# Allegro board trx_layout.brd (continued)
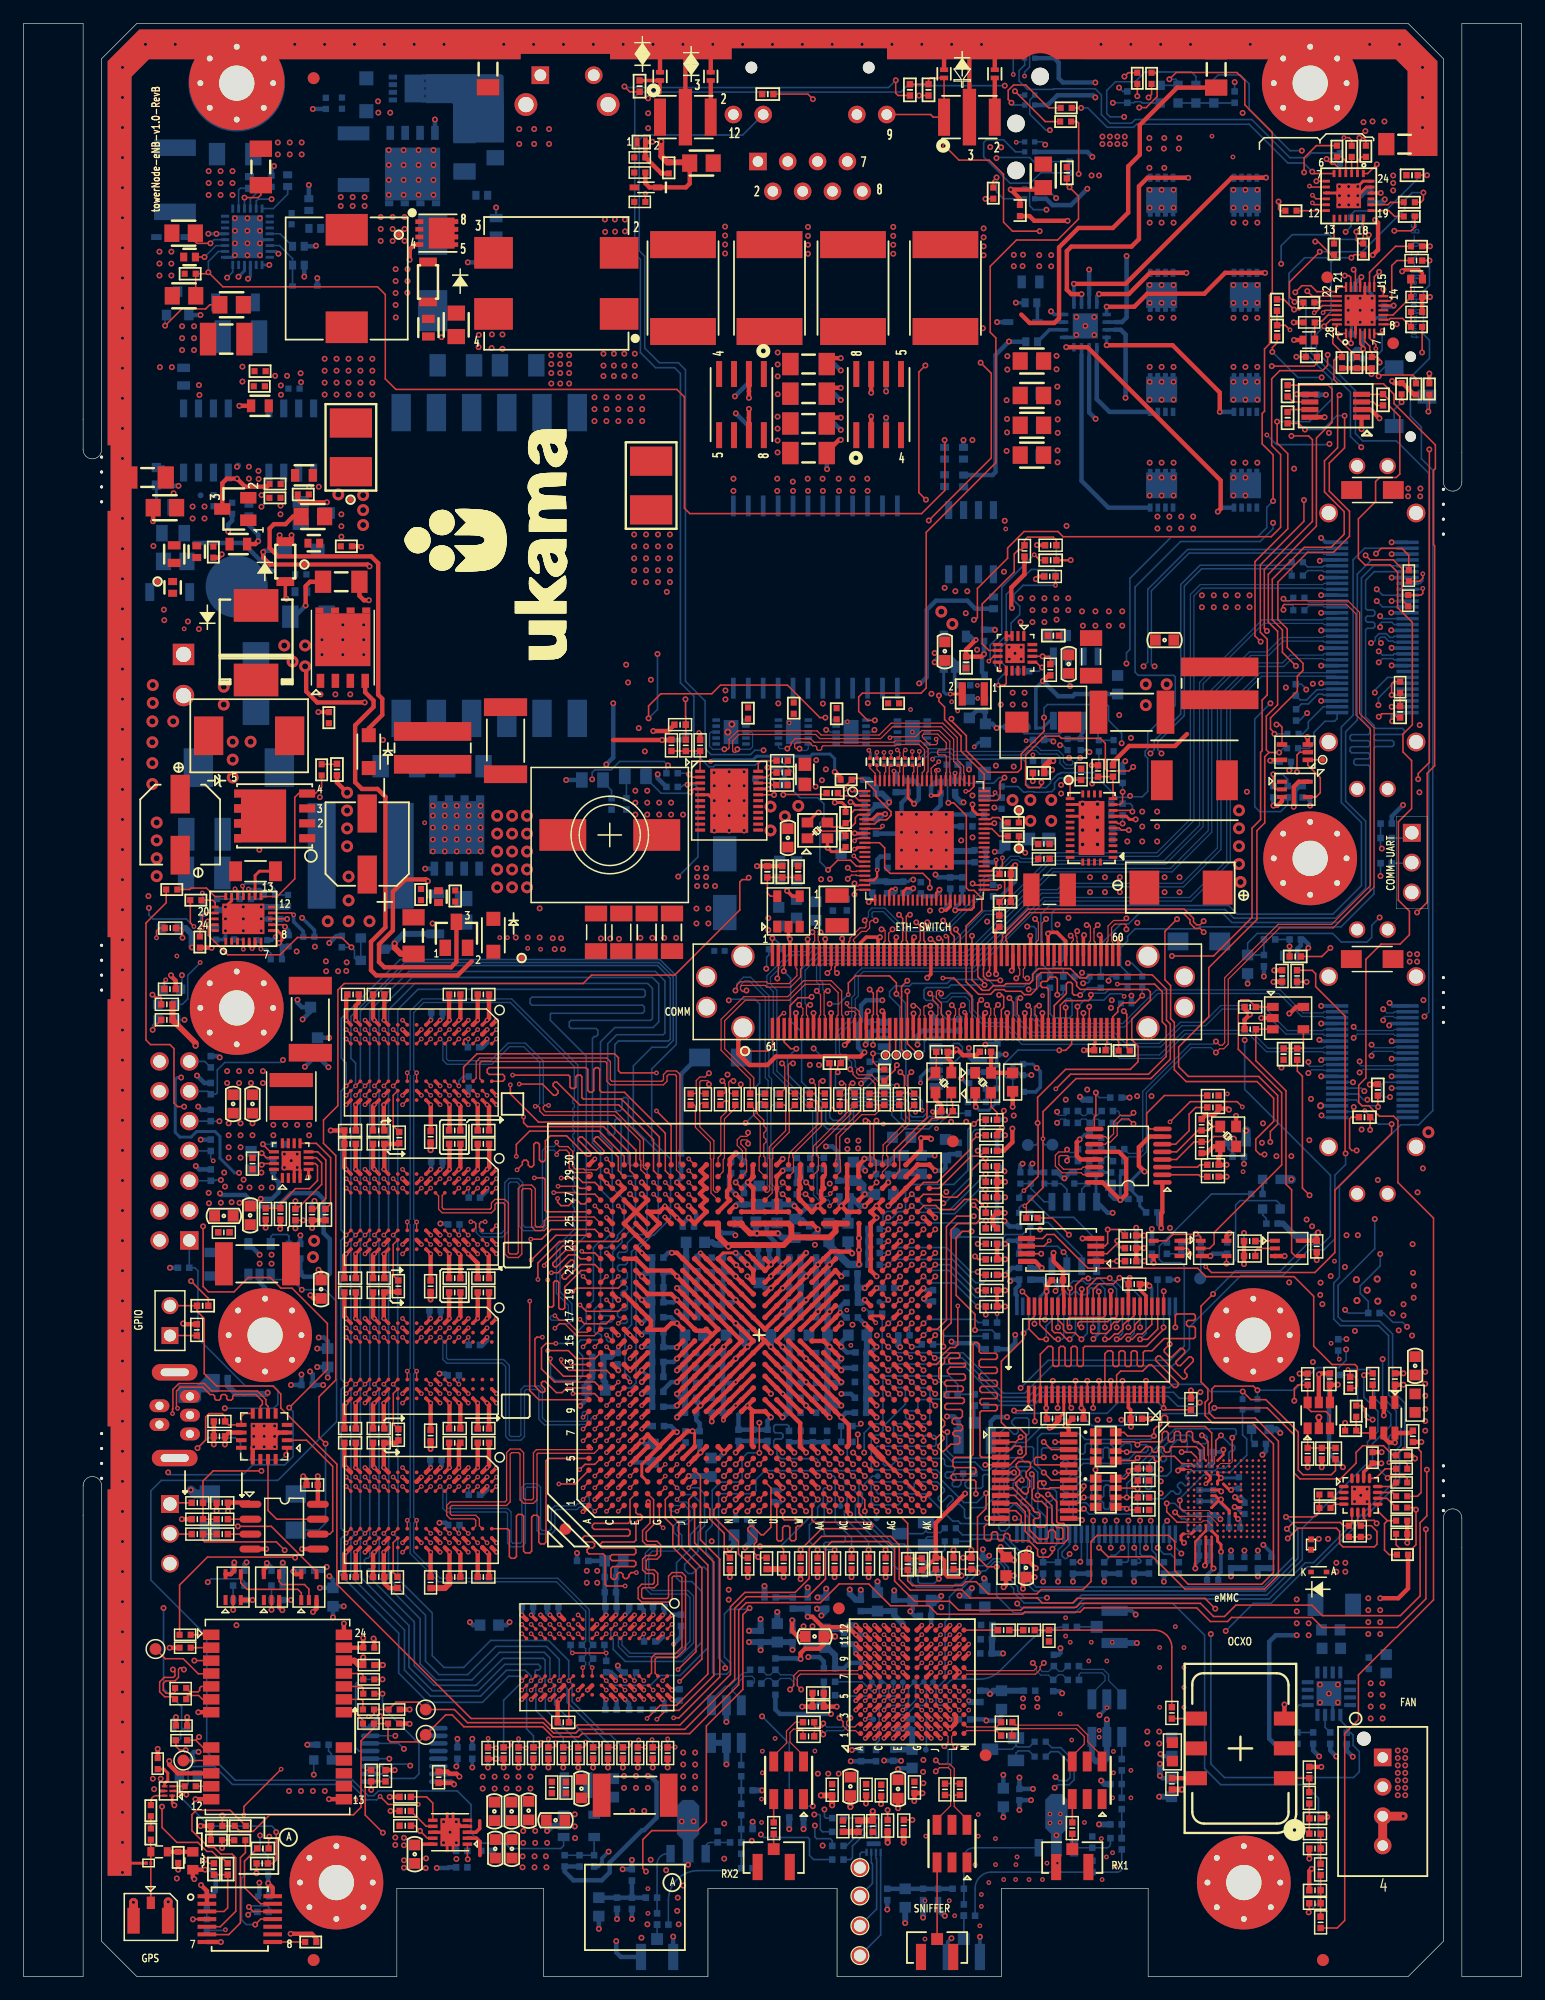
[diagram p0: board, top side]
## Copper pours and planes (outline as drawn; the poured copper is in the pictures) (continued)
CHASIS_GND on TOP (solid shape): 120.45,163.08 120.45,155.01 117.91,155.01 117.91,162.23 116.89,163.24 113.18,163.24 109.61,157.1 106.03,163.24 87.94,163.24 86.6,163.76 85.27,163.24 73.56,163.24 73.56,164.18 60.33,164.18 60.33,163.24 49.97,163.24 49.97,163.71 42.36,163.71 42.36,163.24 21.75,163.24 18.17,157.24 14.58,163.24 10.69,163.24 9.2,161.76 9.2,8.58 7.16,8.58 7.16,41.48 7.42,41.48 7.42,46.84 7.16,46.84 7.16,83.21 7.42,83.21 7.42,88.49 7.16,88.49 7.16,124.79 7.42,124.79 7.42,130.38 7.16,130.38 7.16,163.08 9.87,165.78 117.74,165.78
CHASIS_GND on BOTTOM (solid shape): 120.45,163.08 120.45,155.01 117.91,155.01 117.91,162.23 116.89,163.24 113.18,163.24 109.61,157.1 106.03,163.24 90.43,163.24 90.43,165.45 83.11,165.45 83.11,163.24 73.56,163.24 73.56,164.18 60.33,164.18 60.33,163.24 49.97,163.24 49.97,163.71 42.36,163.71 42.36,163.24 21.75,163.24 18.17,157.09 14.58,163.24 10.7,163.24 9.21,161.76 9.21,8.58 7.16,8.58 7.16,41.48 7.42,41.48 7.42,46.84 7.16,46.84 7.16,83.21 7.42,83.21 7.42,88.49 7.16,88.49 7.16,124.79 7.42,124.79 7.42,130.38 7.16,130.38 7.16,163.08 9.87,165.78 117.74,165.78
CHASIS_GND on L2-GND1 (solid shape): 120.45,163.08 120.45,155.01 117.91,155.01 117.91,162.23 116.89,163.24 113.18,163.24 109.61,157.1 106.03,163.24 87.93,163.24 86.6,163.76 85.28,163.24 73.56,163.24 73.56,164.18 60.33,164.18 60.33,163.24 49.97,163.24 49.97,163.71 42.36,163.71 42.36,163.24 21.75,163.24 18.17,157.21 14.58,163.24 11.22,163.24 9.35,161.37 9.35,8.58 7.16,8.58 7.16,41.48 7.42,41.48 7.42,46.84 7.16,46.84 7.16,83.21 7.42,83.21 7.42,88.49 7.16,88.49 7.16,124.79 7.42,124.79 7.42,130.38 7.16,130.38 7.16,163.08 9.87,165.78 117.74,165.78
CHASIS_GND on L3-SIGNAL (solid shape): 120.45,163.08 120.45,155.01 117.91,155.01 117.91,162.23 116.89,163.24 113.18,163.24 109.61,157.1 106.03,163.24 87.85,163.24 86.6,163.7 85.36,163.24 73.56,163.24 73.56,164.18 60.33,164.18 60.33,163.24 49.97,163.24 49.97,163.71 42.36,163.71 42.36,163.24 21.75,163.24 18.17,157.21 14.58,163.24 11.22,163.24 9.35,161.37 9.35,8.58 7.16,8.58 7.16,41.48 7.42,41.48 7.42,46.84 7.16,46.84 7.16,83.21 7.42,83.21 7.42,88.49 7.16,88.49 7.16,124.79 7.42,124.79 7.42,130.38 7.16,130.38 7.16,163.08 9.87,165.78 117.74,165.78
CHASIS_GND on L4-PWR1 (solid shape): 120.45,163.08 120.45,155.01 117.91,155.01 117.91,162.23 116.89,163.24 113.18,163.24 109.61,157.1 106.03,163.24 87.84,163.24 86.6,163.69 85.37,163.24 73.56,163.24 73.56,164.18 60.33,164.18 60.33,163.24 49.97,163.24 49.97,163.71 42.36,163.71 42.36,163.24 21.75,163.24 18.17,157.21 14.58,163.24 11.22,163.24 9.35,161.37 9.35,8.58 7.16,8.58 7.16,41.48 7.42,41.48 7.42,46.84 7.16,46.84 7.16,83.21 7.42,83.21 7.42,88.49 7.16,88.49 7.16,124.79 7.42,124.79 7.42,130.38 7.16,130.38 7.16,163.08 9.87,165.78 117.74,165.78
CHASIS_GND on L5-PWR2 (solid shape): 120.45,163.08 120.45,155.01 117.91,155.01 117.91,162.23 116.89,163.24 113.18,163.24 109.61,157.1 106.03,163.24 87.83,163.24 86.6,163.69 85.38,163.24 73.56,163.24 73.56,164.18 60.33,164.18 60.33,163.24 49.97,163.24 49.97,163.71 42.36,163.71 42.36,163.24 21.75,163.24 18.17,157.21 14.58,163.24 11.22,163.24 9.35,161.37 9.35,8.58 7.16,8.58 7.16,41.48 7.42,41.48 7.42,46.84 7.16,46.84 7.16,83.21 7.42,83.21 7.42,88.49 7.16,88.49 7.16,124.79 7.42,124.79 7.42,130.38 7.16,130.38 7.16,163.08 9.87,165.78 117.74,165.78
CHASIS_GND on L6-SIGNAL (solid shape): 120.45,163.08 120.45,155.01 117.91,155.01 117.91,162.23 116.89,163.24 113.18,163.24 109.61,157.1 106.03,163.24 87.83,163.24 86.6,163.69 85.38,163.24 73.56,163.24 73.56,164.18 60.33,164.18 60.33,163.24 49.97,163.24 49.97,163.71 42.36,163.71 42.36,163.24 21.75,163.24 18.17,157.21 14.58,163.24 11.22,163.24 9.35,161.37 9.35,8.58 7.16,8.58 7.16,41.48 7.42,41.48 7.42,46.84 7.16,46.84 7.16,83.21 7.42,83.21 7.42,88.49 7.16,88.49 7.16,124.79 7.42,124.79 7.42,130.38 7.16,130.38 7.16,163.08 9.87,165.78 117.74,165.78
CHASIS_GND on L7-GND2 (solid shape): 120.45,163.08 120.45,155.01 117.91,155.01 117.91,162.23 116.89,163.24 113.18,163.24 109.61,157.1 106.03,163.24 87.81,163.24 86.6,163.68 85.4,163.24 73.56,163.24 73.56,164.18 60.33,164.18 60.33,163.24 49.97,163.24 49.97,163.71 42.36,163.71 42.36,163.24 21.75,163.24 18.17,157.21 14.58,163.24 11.22,163.24 9.35,161.37 9.35,8.58 7.16,8.58 7.16,41.48 7.42,41.48 7.42,46.84 7.16,46.84 7.16,83.21 7.42,83.21 7.42,88.49 7.16,88.49 7.16,124.79 7.42,124.79 7.42,130.38 7.16,130.38 7.16,163.08 9.87,165.78 117.74,165.78
CT on BOTTOM: 37.29,134.85 37.29,131.55 42.06,131.55 42.06,134.85
DATA1 on BOTTOM: 94.88,152.4 98.55,152.4 98.55,148.51 98.45,148.41 97.61,148.41 97.49,148.29 97.49,144.73 97.46,144.7 94.78,144.7 94.61,144.88 94.61,152.13
DATA1 on BOTTOM: 83.55,136.67 83.55,138.19 83.68,138.32 85.33,138.32 85.46,138.19 85.46,136.67 85.33,136.54 83.68,136.54
DATA1 on BOTTOM: 60.07,127.97 60.07,124.23 60.72,124.23 60.72,127.97
DATA1 on L5-PWR2: 58.7,140.51 58.7,125.74 66.19,125.74 66.19,134.94 86.17,134.94 86.17,144.86 98.69,144.86 98.69,152.47 78.54,152.47 78.54,140.51
DATA2 on BOTTOM: 102,152.37 105.69,152.37 105.69,148.51 105.59,148.41 104.75,148.41 104.62,148.29 104.62,144.7 101.92,144.7 101.75,144.88 101.75,152.11
DATA2 on BOTTOM: 83.52,133.93 83.52,135.45 83.64,135.58 85.29,135.58 85.42,135.45 85.42,133.93 85.29,133.8 83.64,133.8
DATA2 on BOTTOM: 71.5,127.73 71.5,124.32 72.26,124.32 72.26,127.73
DATA2 on L3-SIGNAL: 73.97,133.63 84.84,133.63 84.88,133.67 105.79,133.67 106.3,134.18 106.3,152.11 105.92,152.49 91.57,152.49 91.57,137.92 66.83,137.92 66.83,126.67 67.29,126.21 73.63,126.21 73.97,126.55
DC_IN_12V on TOP: 12.56,111.63 16.44,111.63 16.84,112.04 22.1,112.04 23.35,110.79 24.5,110.79 24.5,114.8 16.03,114.8 14.93,113.7 14.92,113.69 14.91,113.71 13.91,113.71 13.91,113.7 12.79,113.7 12.56,113.47
DC_IN_12V on BOTTOM: 11.91,114.01 11.91,111.05 21.33,111.05 21.33,105.9 20.49,105.9 20.49,101.28 24.6,101.28 24.6,114.01
EFUSE_IN_12V on TOP: 18.94,92.95 15.24,92.95 14.44,93.74 14.44,102.72 14.47,102.72 14.47,103.42 14.81,103.76 17.17,103.76 17.26,103.86 17.26,105.92 17.91,106.57 17.91,111.76 21.72,111.76 21.72,108.84 24.71,108.84 24.71,107.01 26.54,107.01 26.64,106.91 26.64,104.22 26.31,103.89 25.02,103.89 24.7,103.58 24.7,101.44 24.54,101.28 17.77,101.28 17.37,100.88 17.37,96.56 19.35,94.58 19.35,91.65 18.93,91.65 18.93,92.64 18.94,92.64
EFUSE_IN_12V on BOTTOM: 13.47,105.79 13.47,101.23 19.75,101.23 19.98,101.46 19.98,105.68 19.88,105.79
EMMC_3V3 on TOP: 90.79,39.62 91.94,39.62 91.94,46.78 92.14,46.99 93.73,46.99 93.78,47.05 93.78,47.92 93.75,47.96 91.08,47.96 90.79,47.66
EMMC_3V3 on TOP: 95.66,43.53 95.66,39.42 96.78,39.42 96.78,40.59 96.93,40.74 97.64,40.74 97.69,40.79 97.69,43.34 97.5,43.53 95.66,43.53
EMMC_3V3 on L3-SIGNAL: 105.86,35.41 105.86,49.09 105.73,49.22 91.32,49.22 90.97,48.87 90.97,43.05 91.54,42.48 96.03,42.48 96.34,42.16 96.34,39.38 98.43,39.38 99.37,38.44 99.37,35.51 99.67,35.2 105.65,35.2
EMMC_3V3 on L5-PWR2: 89.65,34.16 119.73,34.16 119.73,59.31 89.65,59.31
ENODEB_IN_12V on TOP: 84.97,91.1 84.8,91.28 84.8,94.1 83.25,95.64 83.25,96.75 83.26,96.76 83.26,97.56 85.31,97.56 85.31,97.94 83.26,97.94 83.26,100.59 83.51,100.84 87.62,100.84 88.53,99.93 88.53,99.43 88.55,99.41 89.55,99.41 89.59,99.37 89.59,97.25 89.53,97.2 86.89,97.2 86.89,91.33 86.66,91.1 ; 2 cut-outs
ENODEB_IN_12V on TOP: 116.87,69.06 116.87,72.13 115.73,72.13 115.73,87.48 120.24,87.48 120.24,69.06
ENODEB_IN_12V on TOP: 25.46,100.12 22.34,100.12 22.05,99.83 22.05,93.39 22.05,93.38 22.05,92.78 21.88,92.61 21.22,92.61 20.75,92.14 20.75,90.94 20.86,90.83 24.94,90.83 25.18,90.59 25.18,89.56 25.66,89.08 29.88,89.08 30.84,90.04 30.84,95.21 30.57,95.48 25.8,95.48 25.49,95.79 25.49,100.1
ENODEB_IN_12V on TOP: 115.78,127.35 115.78,123.26 119.47,123.26 119.47,127.35
ENODEB_IN_12V on TOP: 114.7,19.74 114.7,14.6 119.34,14.6 119.34,19.74
ENODEB_IN_12V on BOTTOM: 109.83,87.73 109.83,83.87 119.43,83.87 119.43,87.73
ENODEB_IN_12V on BOTTOM: 114.61,14.98 114.61,19.5 117.66,19.5 117.66,33.73 116.68,33.73 116.68,57.75 117.03,57.75 117.03,72.7 120.43,72.7 120.43,14.98 ; 1 cut-out
ENODEB_IN_12V on BOTTOM: 99.49,88.92 94.79,88.92 94.79,85.98 94.96,85.82 96.92,85.82 97.14,86.03 97.15,86.03 97.2,86.08 97.2,86.58 97.34,86.73 99.44,86.73 99.49,86.78
ENODEB_IN_12V on L3-SIGNAL: 118.03,14.98 118.03,19.5 114.61,19.5 114.61,14.98
ENODEB_IN_12V on L3-SIGNAL: 20.42,88.03 20.42,99.57 20.8,99.95 29.61,99.95 31.03,101.37 31.03,109.22 50.15,109.22 50.15,112.19 58.03,112.19 58.03,110.94 58.06,110.94 58.06,110.65 58.27,110.65 58.27,110.94 76.66,110.94 76.66,110.67 76.91,110.67 76.91,110.94 83.58,110.94 88.65,105.87 88.65,91.93 86.27,89.55 84,91.82 74.4,91.82 71.02,95.2 68.71,95.2 67.13,93.62 67.13,90.98 65.86,89.71 65.86,88.44 65.91,88.39 47.05,88.39 46.69,88.03 ; 4 cut-outs
ENODEB_IN_12V on L4-PWR1: 109.01,83.48 109.01,109.23 108.78,109.23 108.59,109.43 108.59,110.18 107.94,110.83 94.64,110.83 89.84,106.02 89.84,96.27 89.71,96.14 82.63,96.14 81.65,97.12 81.65,120.25 83.49,120.25 83.49,120.47 108.11,120.47 108.11,153.82 119.68,153.82 119.68,119.68 119.68,119.68 119.68,83.48
ENODEB_IN_12V on L6-SIGNAL: 94.82,79.81 94.62,80.01 94.62,87.78 111.62,87.78 112.04,87.36 112.04,81.08 111.99,81.03 106,81.03 105.87,80.9 105.87,80.09 105.59,79.81 ; 4 cut-outs
ENODEB_IN_12V on L6-SIGNAL: 119.63,126.96 117.7,126.96 117.54,126.81 117.54,123.56 117.8,123.3 117.8,83.98 118.11,83.67 119.88,83.67 120.04,83.83 120.04,126.56 ; 2 cut-outs
PA_ETH_D0N on BOTTOM: 61.19,105.84 61.19,107.31 62.53,108.65 62.53,110.67 63.22,110.67 63.22,108.47 61.9,107.15 61.9,105.84
PA_ETH_D0P on BOTTOM: 58.49,105.86 58.49,108.08 60.53,108.08 61.47,109.01 61.47,110.59 62.05,110.59 62.05,108.7 60.73,107.38 59.55,107.38 59.33,107.17 59.33,105.86
PA_ETH_D1N on BOTTOM: 75.35,108.61 77.98,108.61 78.22,108.37 78.22,104.97 78,104.75 76.68,104.75 76.68,104.75 76.68,106.5 76.7,106.52 77.54,106.52 77.57,106.56 77.57,107.72 77.3,107.99 74.54,107.99 74.18,108.36 74.18,110.64 74.73,110.64 74.73,109.23
PA_ETH_D1P on BOTTOM: 72.9,110.65 72.9,105.01 73.11,104.79 74.83,104.79 74.83,106.11 73.97,106.11 73.43,106.65 73.43,110.65
PA_ETH_D2N on BOTTOM: 70.21,110.64 70.21,108.35 71.4,107.16 71.4,105.81 72.19,105.81 72.19,107.24 70.84,108.58 70.84,110.64
PA_ETH_D2P on BOTTOM: 69.04,110.59 69.04,108.76 68.76,108.48 68.76,105.81 69.58,105.81 69.58,110.59
PA_ETH_D3N on BOTTOM: 66.6,110.67 66.6,107.38 67.43,107.38 67.43,106.13 67.37,106.07 66.57,106.07 66.5,105.99 66.5,104.79 67.83,104.79 67.92,104.87 67.92,107.8 67.13,107.8 67.13,110.67
PA_ETH_D3P on BOTTOM: 65.79,110.62 65.79,107.39 63.73,107.39 63.73,106.06 64.6,106.06 64.66,106.01 64.66,104.79 63.23,104.79 63.23,107.75 65.25,107.75 65.25,110.62
RF_1V8 on BOTTOM: 112.73,21.74 112.65,21.82 112.65,22.96 112.65,22.96 112.65,25.26 112.5,25.41 111.47,25.41 111.38,25.5 111.38,26.4 111.45,26.47 117.45,26.47 117.5,26.41 117.5,21.95 117.3,21.74
RF_1V8 on L4-PWR1: 113.39,21.34 113.39,22.94 81.38,22.94 81.38,36.68 81.39,36.68 81.39,37.32 85.85,37.32 85.85,32.49 116.2,32.49 116.2,21.34
RF_3V3 on TOP: 118.01,48.56 118.01,46.23 119.66,46.23 119.66,48.56
RF_3V3 on TOP: 95.47,21.13 95.47,19.56 98.45,19.56 98.45,21.13
RF_3V3 on BOTTOM: 95.46,21.04 95.46,19.71 95.57,19.61 98.33,19.61 98.43,19.71 98.43,21.03 98.33,21.13 95.56,21.13
RF_3V3 on BOTTOM: 66.14,30.12 66.14,28.69 67.49,28.69 67.49,30.12
RF_3V3 on L4-PWR1: 58.19,14.38 58.19,31.14 58.77,31.72 66.12,31.72 66.35,31.49 66.35,30.58 66.6,30.33 67.29,30.33 67.49,30.12 67.49,29.12 61.43,29.12 61.19,28.88 61.19,20.9 82.52,20.9 82.52,21.78 99.11,21.78 99.43,21.46 99.43,9.51 98.71,8.79 82.7,8.79 82.7,0.92 71.46,0.92 71.46,8.81 57.72,8.81 57.72,0.78 45.85,0.78 45.85,14.35 45.88,14.38
RF_3V3 on L6-SIGNAL: 95.45,17.45 95.45,21.11 96.89,22.56 115.79,22.56 115.79,41.21 115.1,41.9 111.48,41.9 111,42.39 111,46.13 111.52,46.64 114.15,46.64 114.16,46.65 115.46,46.65 115.79,46.99 115.79,48.74 119.68,48.74 119.68,17.45
SPARE1 on BOTTOM: 67.69,127.73 67.69,124.32 68.45,124.32 68.45,127.73
SPARE1 on BOTTOM: 83.52,128.6 83.52,130.26 83.58,130.32 85.37,130.32 85.42,130.27 85.42,128.6 85.36,128.54 83.57,128.54
SPARE1 on BOTTOM: 106.03,125.87 102.49,125.87 102.49,129.72 102.59,129.82 103.43,129.82 103.56,129.95 103.56,133.58 106.08,133.58 106.08,125.91
SPARE1 on L5-PWR2: 66.55,134.56 66.55,126.31 66.57,126.31 66.57,125.73 102.62,125.73 102.62,125.62 106.12,125.62 106.38,125.87 106.38,134.05 105.87,134.56
SPARE2 on BOTTOM: 83.55,131.29 83.55,132.81 83.68,132.94 85.33,132.94 85.46,132.81 85.46,131.29 85.33,131.16 83.68,131.16
SPARE2 on BOTTOM: 63.88,127.73 63.88,124.31 64.64,124.31 64.64,127.73
SPARE2 on BOTTOM: 99.04,125.87 95.35,125.87 95.35,129.72 95.45,129.82 96.29,129.82 96.42,129.95 96.42,133.58 99.07,133.58 99.3,133.36 99.3,126.12
SPARE2 on L3-SIGNAL: 74.58,132.99 74.58,125.81 64.96,125.81 64.96,128.06 63.37,128.06 63.37,124.39 87.53,124.39 88.91,125.77 98.49,125.77 98.6,125.89 98.6,132.99
T2P on BOTTOM: 14.23,137.39 14.23,136.54 11.18,136.54 11.18,137.39
T2P on L3-SIGNAL: 19.15,148.79 19.15,135.03 11.26,135.03 11.26,138.01 13.95,138.01 13.95,148.79
USB_5V on L5-PWR2: 13.92,41.43 13.92,44.09 15.24,44.09 15.24,53.04 23.55,53.04 23.94,52.65 23.94,49.9 24.43,49.4 26.8,49.4 26.82,49.38 26.82,41.43
VBCKUP on TOP: 109.38,36.96 109.3,37.03 109.3,37.49 109.38,37.57 111.38,37.57 111.43,37.52 111.43,37.01 111.38,36.96
VBCKUP on L4-PWR1: 59.17,31.7 59.17,33.34 61.52,33.34 61.52,40.19 111.24,40.19 111.48,39.95 111.48,37.01 111.18,36.7 86.58,36.7 86.58,37.75 63.98,37.75 63.98,31.7
VBCKUP on L6-SIGNAL: 29.77,27.48 29.77,18.92 34.21,14.48 57.18,14.48 58.81,16.12 58.81,33.27 60.67,33.27 60.81,33.14 60.81,31.4 60.79,31.38 60.79,21.71 59.92,20.84 59.92,14.81 56.46,11.34 35.37,11.34 33.19,13.52 29.62,13.52 27.84,15.3 27.84,27.3 28.02,27.48
VDS_FREE on TOP: 34.92,92.16 37.13,92.16 39.28,90.02 39.28,89.48 39.33,89.42 40.65,89.42 40.65,90.82 39.48,91.99 39.48,99.84 39.19,100.13 35.28,100.13 34.95,100.46 34.95,100.94 34.32,101.56 31.92,101.56 31.29,102.2 31.29,103.91 30.79,104.41 28.52,104.41 28.52,104.39 28.1,103.97 28.1,102.04 28.6,101.54 29.43,101.54 30.5,100.47 30.5,96.71 30.5,96.7 30.5,94.62 31.73,93.39 33.13,93.39 33.13,92.5 33.4,92.23 34.92,92.23
VDS_FREE on BOTTOM: 48.51,108.73 48.51,104.81 46.49,102.78 45.2,101.49 42.18,98.48 39.3,98.48 39.3,95.43 33.78,95.43 33.78,90.09 30.25,90.09 30.25,101.24 37.11,101.24 37.37,101.5 37.37,103.16 40.26,106.05 40.26,108.73
VDS_FWD on TOP: 24.7,116.64 24.7,111.2 29.88,111.2 29.88,116.64
VDS_FWD on BOTTOM: 39.01,105.53 31.78,105.53 31.78,102.09 25.65,102.09 24.69,103.05 24.69,117.16 24.67,117.19 23.82,117.19 23.82,122 30.37,122 30.37,109.13 39.01,109.13
VDS_PRI on BOTTOM: 30.78,155.77 30.78,150.7 38.86,150.7 38.86,154.42 35.73,154.42 35.73,155.77
VDS_PRI on BOTTOM: 42.93,131.42 45.26,131.42 45.26,135.28 47.31,135.28 47.31,138.92 42.93,138.92
VDS_PRI on L3-SIGNAL: 30.7,156.06 41.09,156.06 41.09,138.77 47.47,138.77 47.47,135.04 34.07,135.04 34.07,151.05 30.7,151.05
VGS_FREE on BOTTOM: 10.73,123.51 10.73,119.69 12.6,119.69 12.6,123.51
VGS_FWD on TOP: 37.09,88.49 37.09,86.17 37.34,85.92 44.07,85.92 44.28,86.14 44.28,88.51 44.03,88.76 37.37,88.76
VGS_FWD on BOTTOM: 36.68,90.45 36.68,87.15 44.35,87.15 44.35,88.72 38.25,88.72 38.25,90.45
VPORTN on TOP: 105.96,156.82 106.06,156.72 106.06,122.91 89.62,122.91 89.47,123.06 89.47,147.37 94.03,147.37 94.29,147.62 94.29,156.69 94.41,156.82 ; 8 cut-outs
VPORTN on TOP: 49.09,136.02 52.41,136.02 52.41,142.95 49.09,142.95
VPORTN on TOP: 63.99,133.12 63.99,129.01 64.12,128.88 66.32,128.88 66.4,128.96 66.4,133.08 66.29,133.19 64.06,133.19
VPORTN on BOTTOM: 88.18,143.64 88.18,146.73 88.07,146.84 86.41,146.84 86.23,146.66 86.23,143.64
VPORTN on BOTTOM: 66.08,128.72 66.08,133.18 63.97,133.18 63.97,128.72
VPORTN on BOTTOM: 104.61,152.81 104.61,157.4 95.48,157.4 95.48,152.81 97.48,152.81 97.48,154 102.82,154 102.82,152.81
VPORTN on BOTTOM: 96.39,125.3 96.39,122.73 96.52,122.61 105.32,122.61 105.51,122.8 105.51,125.43 103.56,125.43 103.56,124.59 101.54,124.59 101.54,125.4 96.49,125.4
VPORTN on L2-GND1: 49.15,136.04 62.41,136.04 62.41,126.26 86.91,126.26 87.23,126.57 87.23,152.77 86.85,153.15 49.15,153.15
VPORTN on L5-PWR2: 58.57,126.26 58.57,135.76 49.15,135.76 49.15,157.78 117.23,157.78 118.28,156.73 118.28,121.58 96.09,121.58 96.09,126.26 ; 1 cut-out
VPORTN on L7-GND2: 118.28,121.58 118.28,156.73 117.23,157.78 49.15,157.78 49.15,136.02 62.41,136.02 62.41,126.26 78.36,126.26 78.36,121.56 87.29,121.56 87.31,121.58
VPORTP on TOP: 49.15,145.41 52.41,145.41 52.41,150.11 49.15,150.11
VPORTP on TOP: 64.02,138.46 64.02,133.78 66.16,133.78 66.16,138.46
VPORTP on BOTTOM: 84.46,142.12 85.71,142.12 85.71,146.86 83.05,146.86 81.97,145.78 81.97,139.35 82.38,138.94 84.33,138.94 84.46,139.06
VPORTP on BOTTOM: 66.05,133.69 66.05,138.55 63.95,138.55 63.95,133.69
VPORTP on BOTTOM: 106.15,144.29 106.15,133.96 94.72,133.96 94.72,144.29
VPORTP on L4-PWR1: 93.22,121.58 79.02,135.78 51.82,135.78 51.82,140.72 49.15,140.72 49.15,157.78 107.09,157.78 107.09,121.73 106.94,121.58
N395134 on TOP: 53.31,149.27 53.31,146.31 60.07,146.31 60.07,149.27
N395134 on L3-SIGNAL: 71.22,153.62 60.79,153.62 60.79,146.08 57.39,146.08 57.39,157.2 71.22,157.2
N395138 on BOTTOM: 63.46,124.31 62.48,124.31 62.48,138.49 62.28,138.68 60.73,138.68 60.73,141.26 66.5,141.26 66.5,138.92 63.96,138.92 63.46,138.41
N395142 on BOTTOM: 61.1,128.51 61.1,124.34 62.1,124.34 62.1,129.86 59.69,129.86 59.69,141.27 53.35,141.27 53.35,138.68 57.76,138.68 57.76,128.51
N395210 on TOP: 57.97,160.6 58.34,160.98 63.06,160.98 63.19,160.85 63.19,159.9 62.86,159.58 61.67,159.58 61.34,159.25 61.34,153.34 61.19,153.2 59.18,153.2 59.08,153.1 59.08,152.01 58.99,151.93 58.14,151.93 57.97,152.11
N395242 on TOP: 71.5,108.8 73.92,108.8 73.92,107.97 71.5,107.97
N395242 on BOTTOM: 71.68,110.64 71.68,108.17 72.31,108.17 72.31,110.64
N395246 on TOP: 60.53,108.66 60.53,109.77 59.54,109.77 59.54,109.75 59.35,109.56 59.35,107.78 62.1,107.78 62.1,108.66
N395246 on BOTTOM: 59.53,110.5 59.53,108.62 59.67,108.48 60.5,108.48 60.67,108.65 60.67,110.54 60.63,110.59 59.61,110.59
N395250 on TOP: 102.63,161.53 102.63,158.03 99.77,158.03 99.77,161.53
N395250 on TOP: 85.55,128.34 83.11,128.34 83.11,141.93 85.55,141.93
N395254 on TOP: 86.22,136.54 86.22,138.32 88.31,138.32 88.31,136.54
N395254 on BOTTOM: 86.22,136.54 86.22,138.32 88.32,138.32 88.32,136.54
N395258 on TOP: 86.22,133.8 86.22,135.58 88.36,135.58 88.36,133.8
N395258 on BOTTOM: 86.18,133.93 86.18,135.45 86.31,135.58 88.28,135.58 88.28,133.8 86.31,133.8
N395262 on TOP: 86.22,128.54 86.22,130.32 88.49,130.32 88.49,128.54
N395262 on BOTTOM: 86.18,128.67 86.18,130.19 86.31,130.32 88.38,130.32 88.38,128.54 86.31,128.54
N395266 on TOP: 86.22,131.16 86.22,132.94 88.53,132.94 88.53,131.16
N395266 on BOTTOM: 86.22,131.29 86.22,132.81 86.35,132.94 88.34,132.94 88.34,131.16 86.35,131.16
N395314 on BOTTOM: 75.36,149.38 75.36,146.28 82.02,146.28 82.02,149.38
N395314 on L6-SIGNAL: 67.57,143.32 76.88,143.32 76.89,143.33 81.99,143.33 81.99,143.33 82.16,143.33 82.16,150.8 78.84,150.8 78.84,145.95 70.23,145.95 70.23,153.12 67.57,153.12
N395334 on BOTTOM: 70.21,138.33 70.21,128.32 72.62,128.32 72.64,128.3 72.64,124.89 72.64,124.89 72.64,124.31 73.53,124.31 73.53,129.72 71.31,129.72 71.31,138.6 71.53,138.82 73.56,138.82 73.56,141.28 67.84,141.28 67.84,138.61 69.94,138.61
N395362 on BOTTOM: 74.16,124.31 74.16,137.85 74.17,137.85 74.17,141.23 81.32,141.23 81.32,138.23 75.97,138.23 75.97,124.31
N395386 on BOTTOM: 67.82,149.38 67.82,146.28 74.37,146.28 74.37,149.38
N395386 on L6-SIGNAL: 63.85,153.82 63.85,157.12 75.64,157.12 75.64,146.35 72.72,146.35 72.72,155.51 66.35,155.51 66.35,153.82
N395402 on TOP: 60.63,149.28 60.63,146.31 67.13,146.31 67.13,149.28
N395402 on L3-SIGNAL: 64.41,146.1 64.41,150.24 67.59,150.24 67.59,153.17 72.52,153.17 72.52,146.1
N395406 on TOP: 73.95,153.66 66.59,153.66 66.59,156.9 76.85,156.9 81.34,152.4 81.34,146.31 75.58,146.31 75.58,152.04
N395410 on TOP: 68.7,128.24 68.7,125.98 69.93,125.98 69.93,127.81 71.71,129.6 71.71,137.78 72.37,138.45 73.51,138.45 73.51,141.33 67.84,141.33 67.84,138.64 69.41,138.64 70.27,137.77 70.27,129.81
N395410 on BOTTOM: 68.96,127.73 68.96,124.32 69.72,124.32 69.72,127.73
N395498 on TOP: 55.01,160.63 55.01,156.73 54.88,156.6 53.27,156.6 52.93,156.95 52.93,160.63
N395498 on L3-SIGNAL: 52.33,156.67 55.36,156.67 55.36,159.02 55.88,159.55 61.64,159.55 62.1,159.08 62.1,158.04 62.38,157.76 65.79,157.76 65.79,161.51 52.33,161.51
N395506 on TOP: 82.17,159.92 82.17,155.49 82.41,155.26 84.89,155.26 85.58,154.56 85.58,153.77 85.69,153.66 89.53,153.66 89.76,153.9 89.76,156.38 89.36,156.78 83.99,156.78 83.53,157.25 83.53,159.92
N395506 on L6-SIGNAL: 69.98,160.91 69.98,157.63 72.43,157.63 72.43,159.55 74.55,159.55 74.55,157.63 75.98,157.63 76.25,157.36 76.25,154.61 76.79,154.07 83.34,154.07 83.54,154.27 83.54,156.59 83.54,156.59 83.54,160.21 82.83,160.91
N395780 on TOP: 56.87,137.27 56.87,124.4 65.91,124.4 65.91,127.54 64.65,127.54 64.65,126.08 59.55,126.08 59.55,141.25 53.44,141.25 53.37,141.17 53.37,137.72 53.57,137.51 56.63,137.51
N395780 on BOTTOM: 65.15,127.73 65.15,124.32 65.91,124.32 65.91,127.73
N395784 on TOP: 62.42,127.92 66.29,127.92 66.29,126.03 67.6,126.03 67.6,128.51 63.61,128.51 63.61,138.51 63.97,138.87 66.39,138.87 66.39,141.26 60.68,141.26 60.68,138.82 62.2,138.82 62.42,138.6
N395784 on BOTTOM: 66.42,127.73 66.42,124.32 67.18,124.32 67.18,127.73
N395792 on TOP: 74.5,141.3 74.5,130.12 74.47,130.12 74.47,126.09 71.44,126.09 71.44,127.86 70.56,127.86 70.31,127.61 70.31,124.87 76.22,124.87 76.22,138.51 81.32,138.51 81.32,141.3
N395792 on BOTTOM: 70.23,127.73 70.23,124.32 70.99,124.32 70.99,127.73
N395800 on BOTTOM: 60.22,146.3 66.4,146.3 66.4,149.46 64.8,151.06 64.8,152.78 60.1,152.78 59.76,152.44 59.76,150.12 60.22,149.66
N395804 on BOTTOM: 53.27,146.3 53.27,155.74 63.47,155.74 63.47,153.49 59.83,153.49 59.29,152.95 59.29,146.3
N395844 on TOP: 67.78,146.31 73.47,146.31 73.47,153.15 73.34,153.28 65.53,153.28 65.42,153.16 65.42,150.02 65.46,149.99 67.61,149.99 67.78,149.83
N470887 on L3-SIGNAL: 77.83,13.61 77.96,13.74 77.96,22.25 74.44,22.25 74.44,16.46 69.85,16.46 69.7,16.31 69.7,13.87 69.95,13.61
N1145981 on TOP: 69.65,108.74 67.67,108.74 67.67,107.72 69.65,107.72
N1145981 on BOTTOM: 67.84,110.62 67.84,108.16 68.39,108.16 68.39,110.62
N1145996 on TOP: 65.88,108.76 64,108.76 64,108.14 65.88,108.14
N1145996 on BOTTOM: 64.03,110.62 64.03,108.11 64.58,108.11 64.58,110.62
N16777767 on TOP: 34.53,150 34.53,146.4 33.62,146.4 33.62,145.44 35.81,145.44 35.81,143.32 35.8,143.32 35.8,140.98 37.61,140.98 37.61,145.39 41.65,145.39 41.65,150 36.05,150 36.05,150
N16778156 on TOP: 25.74,150.08 25.74,147.19 33.13,147.19 33.13,147.92 34.1,147.92 34.1,150.08
N16778156 on BOTTOM: 30.18,150.04 30.18,146.61 36.12,146.61 36.12,150.04
N16778156 on L6-SIGNAL: 18.85,142.64 34.04,142.64 34.04,150.16 27.15,150.16 27.15,145.24 18.85,145.24 ; 1 cut-out
N16869121 on TOP: 35.68,140.28 35.68,140.01 33.94,140.01 33.94,138.81 37.62,138.81 37.62,140.28
N16989975 on BOTTOM: 34.1,156.1 34.1,157.66 25.06,157.66 25.06,148.46 26.4,148.46 26.4,156.1
N17255903 on BOTTOM: 37.49,10.98 39.26,10.98 39.32,10.92 39.32,9.09 39.22,8.99 37.54,8.99 37.49,9.04
N17470232 on BOTTOM: 20.65,149 22.18,149 22.66,149.47 24.62,149.47 24.62,148.44 22.43,148.44 22.12,148.75 20.65,148.75
N17471634 on BOTTOM: 20.62,149.28 21.84,149.28 22.12,149.56 22.12,149.56 22.42,149.87 24.68,149.87 24.68,150.75 22.79,150.75 21.54,149.5 20.62,149.5
N17720354 on BOTTOM: 25.46,159.7 25.46,160.56 26,161.1 26,161.72 25.99,161.73 25.99,162.23 31.85,162.23 31.85,161.55 30.43,161.55 30.43,160.76 27.61,160.76 27.61,159.7
N17736851 on BOTTOM (solid shape): 40.9,161.81 40.94,158.66 40.94,156.21 40.88,156.15 36.73,156.15 36.59,156.29 36.59,159.4 36.48,159.51 34.24,159.51 34.24,161.98 40.73,161.98
N17769247 on BOTTOM: 39.24,150.7 41.53,150.7 41.53,155.5 39.24,155.5
N17776032 on BOTTOM: 37.64,138.23 37.64,136.12 41.43,136.12 41.43,138.23
N17967906 on BOTTOM: 11.1,151 15.01,151 15.01,142.9 12.73,142.9 12.73,143.91 13.39,143.91 13.39,148.97 11.1,148.97
N18580909 on TOP: 20.34,133.19 20.34,137.56 22.75,137.56 22.75,136.04 21.37,136.04 21.37,133.19
N18580909 on BOTTOM: 20.15,132.79 20.15,136.82 22.73,136.82 22.73,136.03 21.31,136.03 21.31,132.79
N18582872 on BOTTOM: 16.71,128.81 16.71,125.86 14.82,125.86 14.82,126.91 15.66,126.91 15.66,128.81
N18582891 on BOTTOM: 12.83,135.85 12.83,132.73 13.96,132.73 13.96,135.1 14.19,135.1 14.19,135.85
N18585755 on TOP: 10.95,121.12 10.95,118.77 11.26,118.47 14.37,118.47 15.16,119.25 15.16,119.9 15.14,119.92 15.14,121.12
N18621423 on TOP: 11.82,121.5 11.82,123.66 17.18,123.66 17.18,123.66 17.35,123.66 18.2,124.51 19.7,124.51 19.85,124.36 19.85,122.96 19.66,122.77 18.45,122.77 17.97,122.29 17.97,121.6 17.87,121.5
N18723580 on TOP: 18.28,137.14 18.28,135.26 18.49,135.05 19.83,135.05 19.95,135.16 19.95,137.23 19.84,137.33 18.46,137.33
N18723580 on BOTTOM: 19.71,150.19 19.71,151.33 19.99,151.61 21.36,151.61 21.44,151.54 21.44,151.16 21.29,151 21.03,151 20.9,151.13 19.97,151.13 19.94,151.1 19.94,150.14 19.76,150.14
